# Altium PCB board_ordered.PcbDoc (part 1 of 2) (continued)
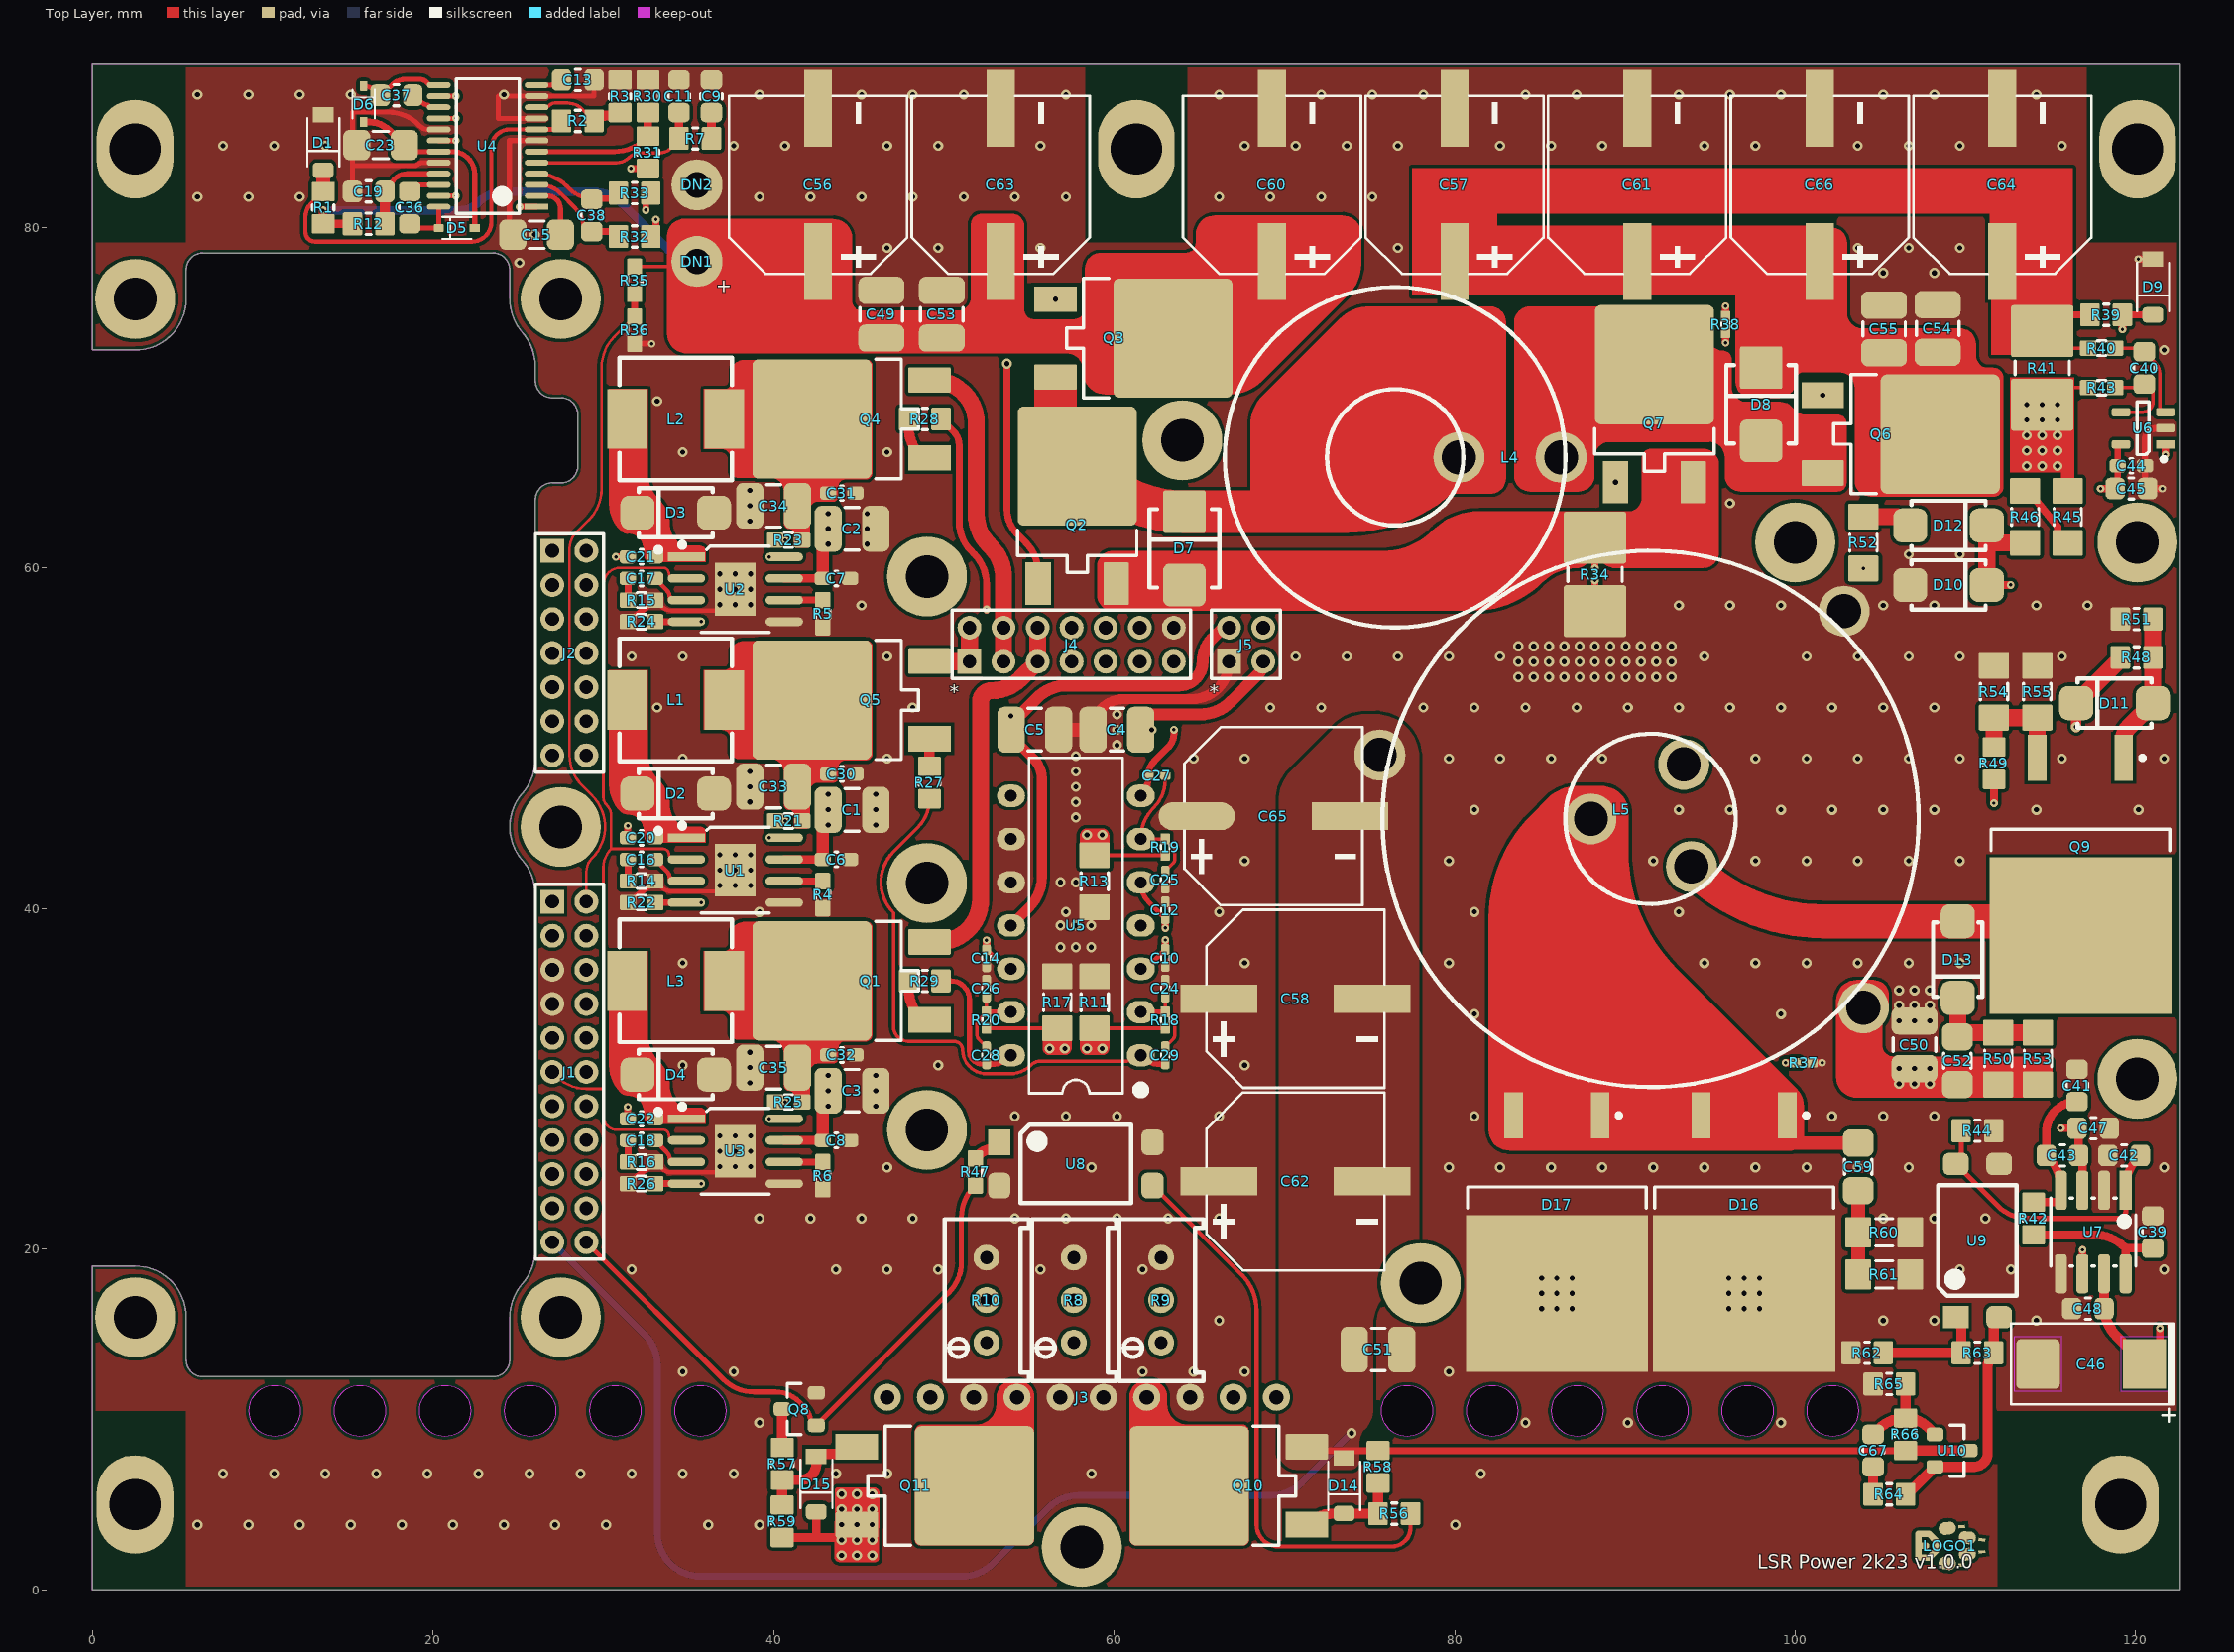
[diagram p0: Top Layer view]
## Design rules (kind name [scope] priority, off if disabled: settings)
AcuteAngle [All] p1: minimum=6.00000000000000E+0001 checktracksonly=FALSE
Clearance Clearance_1 [All] p1: gap=0.2 ignorepadtopadclearanceinfootprint=FALSE except(0.13: Arc-Arc Arc-Track Arc-SMDPad Arc-Via Track-Track Track-SMDPad Track-Via SMDPad-SMDPad SMDPad-Via THPad-Via Via-Via; 0.15: Arc-THPad Arc-Text Arc-Hole Track-THPad Track-Text Track-Hole SMDPad-THPad SMDPad-Text SMDPad-Hole THPad-THPad THPad-Text THPad-Hole Via-Text Via-Hole Fill-Text Fill-Hole Poly-Text Poly-Hole Region-Text Region-Hole Text-Text Text-Hole)
ComponentClearance ComponentClearance_1 [OnLayer('Mechanical 15') vs HasFootprint('CONN_FPC_31P-P0.50_0.5K-AS-31PWB') or HasFootprint('HDR-1X10_2.54')] p1: gap=-1 collisioncheckmode=3 verticalgap=2540 showdistances=FALSE
ComponentClearance ComponentClearance_2 [OnLayer('Mechanical 15') or HasFootprint('HDR-1X10_2.54')] p2: gap=0.001 collisioncheckmode=3 verticalgap=0.001 showdistances=FALSE
ComponentClearance [All] p3: gap=0.2 collisioncheckmode=3 verticalgap=0.2 showdistances=FALSE
Height [All] p1: minheight=0 maxheight=500 prefheight=12.7
HoleSize [All] p1: absolutevalues=TRUE maxlimit=6 minlimit=0.2 maxpercent=80.000 minpercent=20.000
HoleToHoleClearance HoleToHoleClearance_1 [IsVia vs IsThruPin] p1: gap=0.7 allowstackedmicrovias=TRUE
HoleToHoleClearance [All] p2: gap=0.5 allowstackedmicrovias=TRUE
MinimumSolderMaskSliver [All] p1 off: minsoldermaskwidth=0.254
PlaneClearance [All] p1: clearance=0.45
PlaneConnect [All] p1: planeconnectstyle=Direct reliefexpansion=0.3 reliefentries=4 reliefconductorwidth=0.381 reliefairgap=0.178
PolygonConnect [All] p1: connectstyle=Direct reliefconductorwidth=0.381 reliefentries=4 polygonreliefangle="90 Angle" airgapwidth=0.356
RoutingVias [All] p1: holewidth=0.3 width=0.6 viastyle="Through Hole" minholewidth=0.2 minwidth=0.45 maxholewidth=0.9 maxwidth=1.27
SilkToSilkClearance [All] p1 off: silktosilkclearance=0.254
SilkToSolderMaskClearance [IsPad] p1 off: minsilkscreentomaskgap=0.254 clearancetoexposedcopper=TRUE
SolderMaskExpansion [All] p1: expansion=0.102 istentingtop=FALSE
UnRoutedNet [All] p1: checkbadconnections=TRUE
Width [All] p1: maxlimit=3.81 minlimit=0.14 preferedwidth=0.254
20 further rules are at their usual default settings.

## Components (designator, comment, footprint, x,y, rotation, side; value= is the part's Value field where it differs from the comment)
C1 "22u" C1210 44.6,45.8 r180 top
C2 "22u" C1210 44.6,62.3 r180 top
C3 "22u" C1210 44.6,29.3 r180 top
C4 "10u" C1210 60.16,50.5 r0 top
C5 "10u" C1210 55.34,50.5 r0 top
C6 "100n" C0603 43.683,42.885 r180 top
C7 "100n" C0603 43.683,59.385 r180 top
C8 "100n" C0603 43.683,26.385 r180 top
C9 "" C0805 36.347,87.701 r90 top
C10 "10p" C0402 63,37.1 r90 top
C11 "" C0805 34.442,87.701 r90 top
C12 "10p" C0402 63,39.9 r270 top
C13 "" C0805 28.499,88.653 r0 top
C14 "10p" C0402 52.5,37.084 r90 top
C15 "" C1206 26.079,79.567 r180 top
C16 "220p" C0603 32.231,42.885 r0 top
C17 "220p" C0603 32.231,59.385 r0 top
C18 "220p" C0603 32.231,26.385 r0 top
C19 "" C0805 16.218,82.113 r180 top
C20 "100n" C0603 32.231,44.155 r180 top
C21 "100n" C0603 32.231,60.655 r180 top
C22 "100n" C0603 32.231,27.655 r180 top
C23 "" C1206 16.918,84.839 r180 top
C24 "10p" C0402 63,35.3 r270 top
C25 "10p" C0402 62.996,41.7 r90 top
C26 "10p" C0402 52.5,35.3 r270 top
C27 "10p" C0402 62.5,47.8 r180 top
C28 "10p" C0402 52.5,31.38 r270 top
C29 "10p" C0402 63,31.38 r90 top
C30 "100n" C0603 44,47.9 r180 top
C31 "100n" C0603 44,64.4 r180 top
C32 "100n" C0603 44,31.4 r180 top
C33 "22u" C1210 40,47.156 r0 top
C34 "22u" C1210 40,63.656 r0 top
C35 "22u" C1210 40,30.656 r0 top
C36 "" C0805 18.628,81.16 r90 top
C37 "" C0805 17.848,87.758 r0 top
C38 "" C0805 29.319,80.701 r90 top
C39 "" C0805 121,21 r90 top
C40 "" C0805 120.5,71.75 r270 top
C41 "" C0805 116.548,29.614 r90 top
C42 "" C0805 119.309,25.5 r0 top
C43 "" C0805 115.691,25.5 r0 top
C44 "100n" C0603 119.741,66.001 r180 top
C45 "10uF" C0805 119.741,64.668 r180 top
C46 "47u 25V" C7343 117.318,13.25 r180 top
C47 "" C0805 117.5,27.101 r0 top
C48 "" C0805 117.183,16.5 r180 top
C49 "100nF" C1210 46.329,74.9 r270 top
C50 "100nF" C1210 107,32 r270 top
C51 "100nF" C1210 75.5,14.098 r180 top
C52 "" C1206 109.524,31.065 r90 top
C53 "100nF" C1210 49.879,74.9 r270 top
C54 "100nF" C1210 108.361,74.065 r270 top
C55 "100nF" C1210 105.212,74.035 r270 top
C56 "330uF" CAP-SMD_BD10.0-L10.3-W10.3-LS11.0-FD#1 42.611,82.5 r90 top
C57 "330uF" CAP-SMD_BD10.0-L10.3-W10.3-LS11.0-FD#1 79.989,82.5 r90 top
C58 "330uF" CAP-SMD_BD10.0-L10.3-W10.3-LS11.0-FD#1 70.65,34.7 r0 top
C59 "" C1206 103.7,24.825 r90 top
C60 "330uF" CAP-SMD_BD10.0-L10.3-W10.3-LS11.0-FD#1 69.264,82.5 r90 top
C61 "330uF" CAP-SMD_BD10.0-L10.3-W10.3-LS11.0-FD#1 90.714,82.5 r90 top
C62 "330uF" CAP-SMD_BD10.0-L10.3-W10.3-LS11.0-FD#1 70.65,23.975 r0 top
C63 "330uF" CAP-SMD_BD10.0-L10.3-W10.3-LS11.0-FD#1 53.336,82.5 r90 top
C64 "330uF" CAP-SMD_BD10.0-L10.3-W10.3-LS11.0-FD#1 112.164,82.5 r90 top
C65 "330uF" CAP-SMD_BD10.0-L10.3-W10.3-LS11.0-FD#2 69.35,45.425 r0 top
C66 "330uF" CAP-SMD_BD10.0-L10.3-W10.3-LS11.0-FD#1 101.439,82.5 r90 top
C67 "" C0805 104.572,8.169 r270 top
D1 "2.5V" sod-123 13.541,84.991 r90 top
D2 "SS34" SMA 34.25,46.75 r180 top
D3 "SS34" SMA 34.25,63.25 r180 top
D4 "SS34" SMA 34.25,30.25 r180 top
D5 "" SOD-323 21.384,79.964 r0 top
D6 "" SOD-323 15.918,87.239 r270 top
D7 "SS54" SMB 64.123,61.156 r90 top
D8 "SS54" SMB 98,69.617 r90 top
D9 "3.3V" sod-123 121,76.5 r90 top
D10 "WO" SMA 109,59 r0 top
D11 "GLASS" SMA 118.75,52.061 r180 top
D12 "SS110" SMA 109,62.5 r0 top
D13 "S1M" SMA 109.542,37 r270 top
D14 "18V" SOD-123 73.5,6.1 r90 top
D15 "18V" SOD-123 42.5,6.199 r90 top
D16 "MBR20100" D2PAK 97,21 r0 top
D17 "MBR20100" D2PAK 86,21 r0 top
DN1 "" PAD_CAST2_0.8MM 35.5,78 r90 top
DN2 "" PAD_CAST2_0.8MM 35.5,82.5 r90 top
J1 "" HDR-2X11-P2.00 28,30.4 r0 top
J2 "" HDR-2X7-P2.00 28,55 r0 top
J3 "AMP" HDR-1X10_2.54 58.1,11.3 r90 top
J4 "HDR 2X7" HDR-2X7-P2.00 57.5,55.5 r90 top
J5 "AMP AUX" HDR-2X2-P2.00 67.75,55.5 r90 top
L1 "10UH" IND-SMD_L7.2-W6.6_GPSR07X0 34.25,52.25 r0 top
L2 "10UH" IND-SMD_L7.2-W6.6_GPSR07X0 34.25,68.75 r0 top
L3 "10UH" IND-SMD_L7.2-W6.6_GPSR07X0 34.25,35.75 r0 top
L4 "17.7uH" IND_PWR_0 76.5,66.5 r0 top
L5 "TF" TRANS_0 91.5,45.265 r180 top
LOGO1 "LOGO" LOGO 107.227,2.576 r270 top
Q1 "MJD122" "TO-252AA (DPAK)" 45.7,35.75 r270 top
Q2 "AOD4184" "TO-252AA (DPAK)" 57.828,62.531 r180 top
Q3 "AOD4184" "TO-252AA (DPAK)" 60,73.5 r90 top
Q4 "MJD122" "TO-252AA (DPAK)" 45.7,68.75 r270 top
Q5 "MJD122" "TO-252AA (DPAK)" 45.7,52.25 r270 top
Q6 "AOD4184" "TO-252AA (DPAK)" 105.062,67.867 r90 top
Q7 "AOD4184" "TO-252AA (DPAK)" 91.727,68.49 r180 top
Q8 "PDTC143" SOT-23 41.5,10.6 r0 top
Q9 "MDP1991" D2PAK 116.75,42 r0 top
Q10 "KIA3510AD" "TO-252AA (DPAK)" 67.86,6.1 r270 top
Q11 "IPD068P03L3G" "TO-252AA (DPAK)" 48.34,6.1 r90 top
R1 "20k" R0805 13.553,81.16 r270 top
R2 "" R0805 28.499,86.256 r180 top
R3 "" R0805 30.977,87.701 r270 top
R4 "200k" R0603 42.883,40.815 r270 top
R5 "200k" R0603 42.883,57.315 r270 top
R6 "200k" R0603 42.883,24.315 r270 top
R7 "1k" R0805 35.394,85.224 r180 top
R8 "1k" RES-ADJ-TH_3P-L10.0-W10.0-P2.50-L 57.625,17 r90 top
R9 "1k" RES-ADJ-TH_3P-L10.0-W10.0-P2.50-L 62.75,17 r90 top
R10 "1k" RES-ADJ-TH_3P-L10.0-W10.0-P2.50-L 52.5,17 r90 top
R11 "0R1" R1206 58.85,34.492 r270 top
R12 "2R2" R0805 16.218,80.208 r180 top
R13 "0R1" R1206 58.85,41.604 r90 top
R14 "100k" R0603 32.25,41.615 r0 top
R15 "100k" R0603 32.25,58.115 r0 top
R16 "100k" R0603 32.25,25.115 r0 top
R17 "0R1" R1206 56.65,34.492 r270 top
R18 "100" R0402 62.996,33.444 r270 top
R19 "100" R0402 62.996,43.604 r270 top
R20 "100" R0402 52.504,33.444 r270 top
R21 "?" R0603 40.877,45.14 r180 top
R22 "?" R0603 32.25,40.345 r180 top
R23 "?" R0603 40.877,61.64 r180 top
R24 "?" R0603 32.25,56.845 r180 top
R25 "?" R0603 40.877,28.64 r180 top
R26 "?" R0603 32.25,23.845 r180 top
R27 "10" R0805 49.15,47.4 r270 top
R28 "10" R0805 48.876,68.75 r0 top
R29 "10" R0805 48.876,35.75 r0 top
R30 "" R0805 32.616,87.701 r270 top
R31 "" R0805 32.616,84.411 r270 top
R32 "1k" R0805 31.833,79.461 r0 top
R33 "1k" R0805 31.833,82.017 r0 top
R34 "2mR" R2512-WIDE 88.236,59.623 r90 top
R35 "33k" R0603 31.833,76.896 r270 top
R36 "2k" R0603 31.833,73.969 r270 top
R37 "10k NTC" R0402 100.5,30.95 r0 top
R38 "10k NTC" R0402 95.9,74.3 r90 top
R39 "10k" R0805 118.262,74.865 r180 top
R40 "10" R0603 118,72.91 r0 top
R41 "2mR" R2512-WIDE 114.5,71.75 r90 top
R42 "6k8" R0805 114,21.797 r270 top
R43 "10" R0603 118,70.59 r0 top
R44 "10k" R0805 110.7,26.955 r0 top
R45 "5k1" R1206 116,63 r270 top
R46 "5k1" R1206 113.5,63 r270 top
R47 "220" R0603 51.841,24.53 r90 top
R48 "10" R0805 120.048,54.75 r180 top
R49 "1k" R0805 111.67,48.538 r90 top
R50 "5k1" R1206 111.917,31.189 r90 top
R51 "10k" R0805 120.048,57 r180 top
R52 "100" R1206 104,61.5 r90 top
R53 "5k1" R1206 114.248,31.189 r90 top
R54 "0.1" R1206 111.67,52.737 r90 top
R55 "0.1" R1206 114.21,52.737 r90 top
R56 "5k1" R0805 76.452,4.465 r180 top
R57 "5k1" R0805 40.504,7.394 r270 top
R58 "?" R0805 75.5,7.216 r90 top
R59 "?" R0805 40.5,4.016 r90 top
R60 "20" R1206 105.224,20.985 r180 top
R61 "20" R1206 105.224,18.508 r180 top
R62 "470" R0805 104.219,13.914 r0 top
R63 "1k" R0805 110.7,13.914 r0 top
R64 "1k" R0805 105.524,5.6 r180 top
R65 "13k" R0805 105.524,12.074 r0 top
R66 "1k5" R0805 106.477,9.121 r270 top
U1 "MP1584" PowerSOIC-8 37.75,42.25 r270 top
U2 "MP1584" PowerSOIC-8 37.75,58.75 r270 top
U3 "MP1584" PowerSOIC-8 37.75,25.75 r270 top
U4 "LTC3780EG#PBF" TSSOP-24 23.204,84.779 r180 top
U5 "LT1362CN" DIP-14 57.75,39 r90 top
U6 "INA180A2IDBVR" SOT-23-5 120.432,68.207 r0 top
U7 "UC3843AN" SO-8 117.5,21 r180 top
U8 "PC817" SMD-4 57.75,25 r270 top
U9 "PC817" SMD-4 110.7,20.5 r0 top
U10 "431" SOT-23 109.2,8.169 r180 top

## Footprints (in the part's own frame and the unit in brackets; to place one, negate y for a bottom-side part, rotate by r counter-clockwise, add the part's x,y. Pads: shape width x height; smd on the part's side, far side on the other; paste and mask are expansions set on the pad)
C0402 [mm] "Chip Capacitor Body"
  rrect50% 0.635x0.508 smd mask+0.05: 1(-0.5,0) 2(0.5,0)
  silkscreen extent -0.13,-0.25 0.13,0.25, body extent -0.52,-0.27 0.53,0.28, height 0.55
C0603 [mil] "Chip Capacitor"
  rrect50% 38x31 smd mask+1.97: 1(-31.5,0) 2(31.5,0)
  silkscreen extent -3,-17 3,17, body extent -33,-18 33,18, height 35
C0805 [mil] "Chip Capacitor"
  rrect50% 45x50 smd mask+1.97: 1(-37.5,0) 2(37.5,0)
  silkscreen extent -6,-25 6,25, body extent -41,-27 41,27, height 53
C1206 [mm] "Chip Capacitor"
  rrect50% 1.6x1.8 smd: 1(-1.4,0) 2(1.4,0)
  silkscreen extent -0.45,-0.8 0.45,0.8, body extent -1.6,-0.88 1.6,0.92, height 1.6
C1210 [mm] "Chip Capacitor"
  rrect50% 1.6x2.7 smd mask+0.05: 1(-1.4,0) 2(1.4,0)
  silkscreen extent -0.4,-1.25 0.4,1.25, body extent -1.75,-1.35 1.75,1.35, height 1.8
C7343 [mm] "C7343_1"
  rect 2.55x2.9 smd: 1(-3.188,0)
  rrect20% 2.55x2.9 smd: 2(3.061,0)
  Top Layer keep-out region: -4.591,1.577 -4.591,-1.577 -1.786,-1.577 -1.786,1.577
  Top Layer keep-out region: 1.659,1.577 1.659,-1.577 4.464,-1.577 4.464,1.577
  silkscreen extent -5,-2.37 4.64,3.37, body extent -3.7,-2.22 3.7,2.22, height 3.01
CAP-SMD_BD10.0-L10.3-W10.3-LS11.0-FD#1 [mm]
  rect 4.5x1.65 smd paste+0 mask+0.051: 1(-4.5,0) 2(4.5,0)
  silkscreen extent -5.23,-5.23 5.23,5.23, body extent -5.9,-5.25 5.9,5.25, height 12.47
CAP-SMD_BD10.0-L10.3-W10.3-LS11.0-FD#2 [mm]
  oval 4.5x1.65 smd paste+0 mask+0.051: 1(-4.5,0)
  rect 4.5x1.65 smd paste+0 mask+0.051: 2(4.5,0)
  silkscreen extent -5.23,-5.23 5.23,5.23, body extent -5.9,-5.25 5.9,5.25, height 12.47
D2PAK [mm] "D2-PAK, 4-Leads, Body 8.8x10.4mm, Pitch 2.54mm, Lead Span 15.1mm, IPC Low Density"
  rect 1.1x2.7 smd: 1(2.54,6.85) 3(-2.54,6.85)
  rect 10.7x9.2 smd: 2(0,-3.6)
  silkscreen extent -5.25,1.4 5.25,6.97, body extent -5.25,-7.95 5.39,7.9, height 4.8
DIP-14 [mm]
  oval 1.32x1.65 hole 0.7 paste-2539.97 mask+0.051: 1(-7.62,-3.81) 2(-5.08,-3.81) 3(-2.54,-3.81) 4(0,-3.81) 5(2.54,-3.81) 6(5.08,-3.81) 7(7.62,-3.81) 8(7.62,3.81) 9(5.08,3.81) 10(2.54,3.81) 11(0,3.81) 12(-2.54,3.81) 13(-5.08,3.81) 14(-7.62,3.81)
  silkscreen extent -9.85,-4.01 9.85,2.76, body extent -9.6,-3.81 9.6,3.81, height 4.9
HDR-1X10_2.54 [mm]
  round 1.6 hole 0.85: 1(0,11.43) 2(0,8.89) 3(0,6.35) 4(0,3.81) 5(0,1.27) 6(0,-1.27) 7(0,-3.81) 8(0,-6.35) 9(0,-8.89) 10(0,-11.43)
HDR-2X2-P2.00 [mm]
  rect 1.4x1.4 hole 0.8 paste-2539.97 mask+0.051: 1(-1,1)
  round 1.4 hole 0.8 paste-2539.97 mask+0.051: 2(1,1) 3(-1,-1) 4(1,-1)
  silkscreen extent -1.99,-2 2.02,2.03, body extent -2,-2 2,2, height 5.9
HDR-2X7-P2.00 [mm]
  rect 1.4x1.4 hole 0.8 paste-2539.97 mask+0.051: 1(-1,6)
  round 1.4 hole 0.8 paste-2539.97 mask+0.051: 2(1,6) 3(-1,4) 4(1,4) 5(-1,2) 6(1,2) 7(-1,0) 8(1,0) 9(-1,-2) 10(1,-2) 11(-1,-4) 12(1,-4) 13(-1,-6) 14(1,-6)
  silkscreen extent -1.99,-7 2.02,7.03, body extent -2,-7 2,7, height 5.9
HDR-2X11-P2.00 [mm]
  rect 1.4x1.4 hole 0.8 paste-2539.97 mask+0.051: 1(-1,10)
  round 1.4 hole 0.8 paste-2539.97 mask+0.051: 2(1,10) 3(-1,8) 4(1,8) 5(-1,6) 6(1,6) 7(-1,4) 8(1,4) 9(-1,2) 10(1,2) 11(-1,0) 12(1,0) 13(-1,-2) 14(1,-2) 15(-1,-4) 16(1,-4) 17(-1,-6) 18(1,-6) 19(-1,-8) 20(1,-8) 21(-1,-10) 22(1,-10)
  silkscreen extent -1.99,-11 2.02,11.03, body extent -2,-11 2,11, height 5.9
IND-SMD_L7.2-W6.6_GPSR07X0 [mm]
  rect 2.35x3.5 smd: 1(-2.85,0) 2(2.85,0)
  silkscreen extent -3.3,-3.6 3.3,3.6, body extent -3.3,-3.6 3.3,3.6, height 3
IND_PWR_0 [mm]
  round 3 hole 2: 1(3.75,0) 2(9.75,0)
  silkscreen extent -10,-10 10,10, body extent -10,-10 10,10, height 9.5
LOGO [mil]
  rect 15.75x7.87 smd rot 93 mask+4: ""(-44.55,100)
  oval 30x40 smd rot 8 mask+4: ""(-40.55,67)
  oval 15x39.5 smd mask+4: ""(-27.5,12.5) ""(27.5,12.5)
  oval 15x36.21 smd rot 135 mask+4: ""(-20,32.5)
  oval 30x40 smd rot 173 mask+4: ""(-18.99,113.27)
  rect 15.75x7.87 smd rot 83 mask+4: ""(-13.91,147.15)
  oval 39.5x15 smd mask+4: ""(0,40)
  oval 15x32.5 smd mask+4: ""(0,9)
  oval 70x15 smd mask+4: ""(0,0)
  rect 15.75x7.87 smd rot 97 mask+4: ""(13.91,147.15)
  oval 30x40 smd rot 7 mask+4: ""(18.99,113.27)
  oval 15x36.21 smd rot 45 mask+4: ""(20,32.5)
  oval 30x40 smd rot 172 mask+4: ""(40.55,67)
  rect 15.75x7.87 smd rot 87 mask+4: ""(44.55,100)
PAD_CAST2_0.8MM [mm]
  round 3 / inner round 3 / far side round 1.9 hole 1.5: 1(0,0)
PowerSOIC-8 [mm]
  rect 0.5x2.2 smd mask+0.05: 1(-1.905,-2.875)
  oval 0.5x2.2 smd mask+0.05: 2(-0.635,-2.875) 3(0.635,-2.875) 4(1.905,-2.875) 5(1.905,2.875) 6(0.635,2.875) 7(-0.635,2.875) 8(-1.905,2.875)
  rect 3.1x2.4 smd mask+0.05: 9(0,0)
  silkscreen extent -2.67,-4.57 2.52,2, body extent -2.45,-3 2.45,3, height 1.68
R0402 [mm]
  rrect10% 0.635x0.55 smd mask+0.05: 1(-0.476,0) 2(0.476,0)
  silkscreen extent -0.12,-0.25 0.13,0.25, body extent -0.52,-0.27 0.53,0.28, height 0.4
R0603 [mil] "Chip Resistor; Body 1.6 x 0.8 mm (LxW typ)"
  rrect20% 38x35.43 smd mask+1.97: 1(-31.5,0) 2(31.5,0)
  silkscreen extent -10,-17 10,17, body extent -33,-18 33,18, height 22
R0805 [mil] "Chip Resistor; Body 1.6 x 0.8 mm (LxW typ)"
  rrect15% 45x53.15 smd: 1(-37.5,0) 2(37.5,0)
  silkscreen extent -6,-25 6,25, body extent -41,-27 41,27, height 24
R1206 [mil] "Chip Resistor"
  rrect10% 60x70 smd mask+1.97: 1(-60,0) 2(60,0)
  silkscreen extent -20,-31 20,31, body extent -65,-33 65,33, height 26
R2512-WIDE [mm] "Chip Resistor; Body 6.4 x 3.2 mm (LxW typ)"
  rrect10% 3.05x3.68 smd mask+0.05: 1(-2.16,0) 2(2.16,0)
  silkscreen extent -0.4,-1.6 0.4,1.6, body extent -3.19,-1.55 3.16,1.55, height 0.55
RES-ADJ-TH_3P-L10.0-W10.0-P2.50-L [mil]
  round 60 hole 30 paste-99999 mask+2: 1(-98.42,0) 2(0,0) 3(98.43,0)
  silkscreen extent -187,-98 187,96, body extent -188,-95 188,95, height 455
SMA [mm] "SMA(DO-214AC)"
  rrect50% 2x2 smd: 1(-2.25,0) 2(2.25,0)
  silkscreen extent -2.17,-1.45 2.17,1.45, body extent -2.78,-1.48 2.83,1.48, height 2.9
SMB [mm]
  rrect30% 2.5x2.5 smd mask+0.05: 1(-2.15,0)
  rrect10% 2.5x2.5 smd mask+0.05: 2(2.15,0)
  silkscreen extent -2.3,-2.05 2.3,2.05, body extent -2.75,-1.93 2.85,2.03, height 2.65
SMD-4 [mm]
  rect 1.5x1.3 smd mask+0.05: 1(-1.27,-4.5)
  rrect50% 1.5x1.3 smd mask+0.05: 2(1.27,-4.5) 3(1.27,4.5) 4(-1.27,4.5)
  silkscreen extent -2.3,-3.25 2.3,3.25, body extent -2.42,-5.01 2.42,5.01, height 3.9
SO-8 [mm] "SOIC, 8-Leads, Body 4.9x3.9mm, Pitch 1.27mm, IPC Low Density"
  rect 0.7x2.3 smd mask+0.05: 1(-1.905,-2.45)
  rrect50% 0.7x2.3 smd mask+0.05: 2(-0.635,-2.45) 3(0.635,-2.45) 4(1.905,-2.45) 5(1.905,2.45) 6(0.635,2.45) 7(-0.635,2.45) 8(-1.905,2.45)
  silkscreen extent -2.5,-2 2.5,2, body extent -2.5,-3.1 2.5,3.1, height 1.75
sod-123 [mm]
  rect 0.91x1.22 smd mask+0.05: 1(1.635,0)
  rrect50% 0.91x1.22 smd mask+0.05: 2(-1.635,0)
  silkscreen extent -1.43,-0.95 1.43,0.92, body extent -1.85,-0.77 1.85,0.77, height 1.44
SOD-123 [mm]
  rect 0.91x1.22 smd mask+0.05: 1(1.635,0)
  rrect50% 0.91x1.22 smd mask+0.05: 2(-1.635,0)
  silkscreen extent -1.43,-0.95 1.43,0.92, body extent -1.85,-0.77 1.85,0.77, height 1.44
SOD-323 [mm]
  rect 0.59x0.45 smd mask+0.05: 1(1.055,0)
  rrect30% 0.59x0.45 smd mask+0.05: 2(-1.055,0)
  silkscreen extent -0.85,-0.65 0.85,0.65, body extent -1.25,-0.63 1.25,0.62, height 0.99
SOT-23 [mm]
  rrect50% 1x0.8 smd mask+0.05: 1(1,-0.95) 2(1,0.95) 3(-1,0)
  silkscreen extent -0.7,-1.5 0.1,1.5, body extent -1.27,-1.5 1.33,1.5, height 1.1
SOT-23-5 [mm]
  rect 1.1x0.5 smd mask+0.05: 1(1.3,-0.95)
  rrect50% 1.1x0.5 smd mask+0.05: 2(1.3,0) 3(1.3,0.95) 4(-1.3,0.95) 5(-1.3,-0.95)
  silkscreen extent -0.35,-1.95 1.33,1.55, body extent -1.6,-1.55 1.6,1.55, height 1.45
"TO-252AA (DPAK)" [mm] "D-PAK"
  rect 1.5x2.5 smd: 1(2.286,3.45)
  rrect10% 7x7 smd: 2(0,-3.45)
  rrect10% 1.5x2.5 smd: 3(-2.286,3.45)
  silkscreen extent -3.5,0.3 3.5,2.8, body extent -3.29,-5.9 3.29,3.8, height 2.3
TRANS_0 [mm]
  round 3 hole 2: 1(-12.5,11.1) 2(-2.4,2.8) 3(-11.372,-12.2) 4(-1.95,-3.2) 5(15.9,-3.75) 6(3.5,0)
  silkscreen extent -15.75,-15.75 15.75,15.75, body extent -15.75,-15.75 15.75,15.75, height 15.5
TSSOP-24 [mm]
  rect 1.4x0.35 smd mask+0.05: 1(-2.875,3.575)
  oval 1.4x0.35 smd mask+0.05: 2(-2.875,2.925) 3(-2.875,2.275) 4(-2.875,1.625) 5(-2.875,0.975) 6(-2.875,0.325) 7(-2.875,-0.325) 8(-2.875,-0.975) 9(-2.875,-1.625) 10(-2.875,-2.275) 11(-2.875,-2.925) 12(-2.875,-3.575) 13(2.875,-3.575) 14(2.875,-2.925) 15(2.875,-2.275) 16(2.875,-1.625) 17(2.875,-0.975) 18(2.875,-0.325) 19(2.875,0.325) 20(2.875,0.975) 21(2.875,1.625) 22(2.875,2.275) 23(2.875,2.925) 24(2.875,3.575)
  silkscreen extent -1.85,-3.95 1.85,3.95, body extent -3.2,-3.9 3.2,3.9, height 1.2

## Part data
C1 C2 C3 C6 C7 C8 C9 C10 C11 C12 C13 C14 C15 C16 C17 C18 C19 C20 C21 C22 C23 C24 C25 C26 C27 C28 C29 C30 C31 C32 C33 C34 C35 C36 C37 C38 C39 C40 C41 C42 C43 C44 C45 C46 C47 C48 C52 C59 C67: library part CAP
C4 C5: library part CAP, "10u 1210"
C49 C50 C51 C53 C54 C55: library part CAP, "100nF 1210"
C56 C57 C58 C60 C61 C62 C63 C64 C65 C66: library part CAP_POL, "330uF 35V", LCSC part number=C2939792, P/N=SVZ1VM471GCRE00RAXXX
D1: library part US1M-13-F, LCSC part number=C406712, P/N=BZT52C2V7
D2 D3 D4 D5 D6 D7 D8 D10 D11 D12 D13 D14 D15: library part US1M-13-F
D9: library part US1M-13-F, LCSC part number=C173413, P/N=BZT52C3V3
DN1 DN2: library part "dummy net"
J1: library part "HDR 2X11"
J2: library part "HDR 2X7"
J3: library part "Header 3"
J5: library part "Header 2"
L1 L2 L3: library part SRN3015-100M, "CYA0630-10UH"
L4: library part 7443551331, "17x10x7 RING 14 TURN"
L5: library part 7443551331
Q1 Q4 Q5: library part MMBT2222ALT1G, P/N=MJD122
Q2 Q3 Q6 Q7 Q9 Q11: library part 2N7002
Q8: library part MMBT2222ALT1G, "PDTC143XT,215", LCSC part number=C183011, P/N=PDTC143XT,215
Q10: library part 2N7002, "AOD4184"
R1 R2 R3 R4 R5 R6 R7 R11 R12 R13 R14 R15 R16 R17 R18 R19 R20 R21 R22 R23 R24 R25 R26 R27 R28 R29 R30 R31 R32 R33 R35 R36 R39 R40 R42 R43 R44 R45 R46 R48 R49 R50 R51 R52 R53 R54 R55 R56 R57 R58 R59 R60 R61 R62 R63 R64 R65 R66: library part RES
R8 R9 R10: library part 10kΩ
R34 R41: library part RES, "2mR shunt 2512", LCSC part number=C728320, P/N=PA2512FKF7T0R002E
R37 R38: library part RES, "10k NTC 3434 0402", LCSC part number=C700820, P/N=QN0402X103J3435HA
R47: library part RES, "220 0603"
U5: library part LT1362CS#PBF
U8 U9: library part PC817C_C3025164
U10: library part NCP51460SN33T1G

## Free pads (board coordinates)
  oval 4.5x5.8 hole 3: M(2.5,5) M(2.5,84.6) M(61.3,84.6) M(119.1,5) M(120.1,84.6)
  round 4.7 hole 2.5: M(2.5,16) M(2.5,75.8) M(27.5,16) M(27.5,44.8) M(27.5,75.8) M(49,27) M(49,41.5) M(49,59.5) M(58.1,2.5) M(64,67.5) M(78,18) M(100,61.5) M(120.1,30) M(120.1,61.5)

## Via types
v1: diameter 0.6, hole 0.3, Top Layer to Bottom Layer, tented both sides, 426 vias
v2: diameter 0.45, hole 0.2, Top Layer to Bottom Layer, tented both sides, 44 vias

## Nets (pads, with @x,y where several pads share a name; then routed paths per layer and width w, separated by ;. In a path a pad name is that pad's centre, name@x,y a point inside that pad or via, vN(x,y) a via of type N, cw(c..) or ccw(c..) an arc to the next point about the centre after c; other vN are vias at no path point)
+15V: C4.2 J1.6 J5.3 U5.4 | length 91.3
  Top Layer w0.7: C4.2@61.56,50.5 61.56,51.4 65.048,51.4 ccw(c65.048,53.94) 66.844,52.144 68.432,53.732 ccw(c67.664,54.5) J5.3@68.75,54.5
  Mid Layer 2 w0.5: U5.4@61.56,39 ccw(c59.815,39) 61.049,40.234 60.651,40.631 cw(c61.5,41.48) 60.3,41.48 60.3,44.14 cw(c61.5,44.14) 61.5,45.34 62.1,45.34 ccw(c62.1,46.14) 62.9,46.14 62.9,46.6 ccw(c61.572,46.6) 62.511,47.539 62.5,47.55 cw(c63.224,48.274) 62.2,48.274 v1(62.2,50.5)
  Mid Layer 2 w0.7: J1.6@29,36.4 ccw(c30.125,37.525) 30.125,35.934 38.261,35.934 ccw(c38.261,41.691) 44.018,41.691 44.018,57.243 cw(c47.512,57.243) 45.042,59.713 46.914,61.586 cw(c49,59.5) 51.086,61.586 53.102,59.57 ccw(c54.898,61.366) 54.898,58.826 68.25,58.826 cw(c68.25,57.048) 70.028,57.048 70.028,56.413 cw(c68.493,56.413) 69.578,55.328 J5.3@68.75,54.5
+24V: C1.2 C2.2 C3.2 C6.2 C7.2 C8.2 C50.2 C52.1 D15.2 J1.3 L5.1 Q11.3 R31.2 R41.1 R43.1 R45.1 R50.1 R53.1 R59.1 U1.7 U2.7 U3.7 | length 28
  Top Layer w0.2: v1(114.5,69.59) 114.5,70.59 R43.1@117.2,70.59
  Top Layer w0.4: v2(31.616,83.459) R31.2@32.616,83.459
  Top Layer w0.5: R59.1@40.5,3.064 42.5,3.064 ; U3.7@40.625,26.385 C8.2@42.883,26.385 ; U1.7@40.625,42.885 C6.2@42.883,42.885 ; U2.7@40.625,59.385 C7.2@42.883,59.385 ; D15.2@42.5,4.564 42.5,3.064 ; v1@43.99,3.064 42.5,3.064 ; R45.1@115.8,65.007 ccw(c116.483,65.007) R45.1@116,64.524
  Top Layer w0.75: C8.2@42.883,26.385 42.883,28.983 v1(43.2,29.3) ; C6.2@42.883,42.885 42.883,45.483 v1(43.2,45.8) ; C7.2@42.883,59.385 42.883,61.983 v1(43.2,62.3)
  Top Layer w0.8: R45.1@116,64.524 116,66.4
  other v1: 43.99,2.014 44.89,2.014 45.79,2.014 43.99,2.914 44.89,2.914 45.79,2.914 43.99,3.814 44.89,3.814 45.79,3.814 43.99,4.714 44.89,4.714 45.79,4.714 43.99,5.614 44.89,5.614 45.79,5.614 43.2,28.4 106.1,29.7 107,29.7 107.9,29.7 43.2,30.2 106.1,30.6 107,30.6 107.9,30.6 43.2,44.9 43.2,46.7 43.2,61.4 43.2,63.2 113.6,65.99 114.5,65.99 115.4,65.99 113.6,66.89 114.5,66.89 115.4,66.89 113.6,67.79 114.5,67.79 115.4,67.79 113.6,68.69 114.5,68.69 115.4,68.69 113.6,69.59 115.4,69.59
+24V_S: C54.2 C55.2 C57.1 C61.1 C64.1 C66.1 D8.2 Q6.2 R39.2 R40.1 R41.2 | length 73.7
  Top Layer w0.2: R41.2@114.5,73.91 114.5,72.91 R40.1@117.2,72.91
  Top Layer w0.4: R41.2@114.5,73.91 115.455,74.865 R39.2@117.31,74.865
  Top Layer w1.5: C66.1@101.439,78 C61.1@90.714,78 C57.1@79.989,78 79.989,82 112.164,82 C64.1@112.164,78 112.164,76.625 ccw(c113.078,76.625) 112.432,75.978 R41.2@114.5,73.91 ; C54.2@108.361,72.665 C54.2@108.512,72.665
-15V: C5.1 J1.8 J5.2 U5.11 | length 62.2
  Top Layer w0.6: U5.11@53.94,39 55.006,40.066 ccw(c53.21,41.862) 55.75,41.862 55.75,47.638 ccw(c54.139,47.638) 55.278,48.777 53.94,50.115 C5.1@53.94,50.5
  Top Layer w0.7: C5.1@53.94,50.84 55.456,52.356 cw(c57.252,50.56) 57.252,53.1 63.8,53.1 ccw(c63.8,54.5) 65.2,54.5 cw(c67.131,54.5) 65.766,55.866 66.153,56.253 cw(c66.75,55.655) J5.2@66.75,56.5
  Top Layer w0.8: C5.1@53.94,50.5 C5.1@53.94,50.84
  Mid Layer 2 w0.7: J1.8@29,34.4 cw(c30.192,33.208) 30.192,34.894 38.578,34.894 ccw(c38.578,41.426) 45.11,41.426 cw(c47.65,41.426) 45.854,43.222 v1(53.94,51.308)
-24V: C51.2 C58.2 C62.2 C65.2 D14.1 J1.21 L5.5 Q10.3 R58.2 R66.2 U10.3 | length 103.8
  Top Layer w0.4: Q10.3@71.31,8.386 ccw(c71.835,8.911) 71.835,8.169 R58.2@75.5,8.169 R66.2@106.477,8.169
  Top Layer w0.6: R66.2@106.477,8.169 U10.3@110.2,8.169
  Bottom Layer w0.4: J1.21@27,20.4 32.428,14.972 cw(c30.632,13.176) 33.172,13.176 33.172,3.327 ccw(c35.712,3.327) 35.712,0.787 51.069,0.787 ccw(c51.069,3.327) 52.865,1.531 56.134,4.801 cw(c57.912,3.023) 57.912,5.537 69.23,5.537 ccw(c69.23,8.077) 71.026,6.281 v1(73.939,9.195)
DCDC_FAULT: J1.1 U4.1 | length 45.5
  Top Layer w0.35: v2(25.079,81.204) U4.1@26.079,81.204
  Mid Layer 2 w0.15: v2(25.079,81.204) 25.11,81.204 cw(c25.11,78.664) 26.906,80.46 29.431,77.935 cw(c27.635,76.138) 30.175,76.138 30.175,44.627 cw(c27.635,44.627) 29.431,42.831 J1.1@27,40.4
GALVO_PWR_EN: J1.22 Q8.1 R47.1 | length 35.8
  Top Layer w0.3: J1.22@29,20.4 37.048,12.352 ccw(c38.844,14.148) 38.844,11.608 40.093,11.608 cw(c40.093,9.613) 41.504,11.024 41.762,10.765 cw(c40.743,9.747) 42.184,9.747 ccw(c42.417,9.98) 42.417,9.65 Q8.1@42.5,9.65 50.285,17.435 ccw(c48.489,19.231) 51.029,19.231 51.029,21.865 cw(c53.569,21.865) 51.773,23.661 R47.1@51.841,23.73
GND: C1.1 C2.1 C3.1 C4.1 C5.2 C6.1 C7.1 C8.1 C9.2 C10.1 C11.2 C12.1 C13.2 C14.1 C15.2 C19.2 C23.2 C24.1 C25.1 C26.1 C30.1 C31.1 C32.1 C33.1 C34.1 C35.1 C39.2 C41.2 C42.1 C44.1 C45.1 C46.2 C47.2 C48.2 C49.1 C50.1 C51.1 C53.1 C54.1 C55.1 C56.2 C57.2 C58.1 C60.2 C61.2 C62.1 C63.2 C64.2 C65.1 C66.2 D1.1 D2.1 D3.1 D4.1 D9.1 D10.1 D16.2 D17.2 DN2.1 J1.5 J1.7 J3.3 J3.5 J3.6 J3.8 J4.14 J5.1 L5.3 Q8.2 R3.1 R4.2 R5.2 R6.2 R8.3 R9.3 R10.3 R11.1 R13.1 R14.2 R15.2 R16.2 R17.1 R22.2 R24.2 R26.2 R30.1 R33.2 R34.1 R36.2 R37.2 R38.2 R44.2 R51.2 R54.2 R55.2 R60.1 R61.1 R62.1 R65.1 U1.5 U1.9 U2.5 U2.9 U3.5 U3.9 U4.7 U4.9 U4.11 U4.17 U4.20 U5.9 U5.10 U6.2 U7.2 U7.5 U8.2 U8.4 U9.3 | length 142.2
  Top Layer w0.25: R16.2@33.05,25.115 33.428,24.737 ccw(c34,25.309) 34,24.5 U3.9@37.75,24.5 ; R14.2@33.05,41.615 33.428,41.237 ccw(c34,41.809) 34,41 U1.9@37.75,41 ; R15.2@33.05,58.115 33.428,57.737 ccw(c34,58.309) 34,57.5 U2.9@37.75,57.5
  Top Layer w0.3: C19.2@15.266,82.113 15.266,83.622 ; U4.20@20.329,83.804 19.425,83.804 ccw(c19.425,83.182) 18.985,83.622 15.266,83.622 ; U4.17@20.329,85.754 19.73,85.754 cw(c19.73,86.482) 19.216,85.966 19.155,86.027 ccw(c17.359,84.231) 17.359,86.771 15.266,86.771 15.266,85.116 15.518,84.864 15.266,84.864 15.266,83.622 ; C15.2@24.679,79.567 24.479,79.767 24.479,85.104 U4.7@26.079,85.104 ; U4.9@26.079,86.404 23.818,86.404 23.818,87.704 U4.11@26.079,87.704 29.451,87.704 C13.2@29.451,88.653
  Top Layer w0.35: R26.2@31.45,23.845 R16.2@33.05,25.115 ; R22.2@31.45,40.345 R14.2@33.05,41.615 ; R24.2@31.45,56.845 R15.2@33.05,58.115 ; R36.2@31.833,73.169 v2(32.833,73.169)
  Top Layer w0.4: v2(32.486,81.017) 32.486,81.717 R33.2@32.786,82.017 ; R34.1@88.236,57.463 v2(88.236,59.263) ; C45.1@120.541,64.668 120.541,67.513 cw(c121.235,67.513) 121.235,68.207 U6.2@121.732,68.207
  Top Layer w0.45: R38.2@95.9,74.776 v2(95.9,75.376) ; R37.2@100.976,30.95 v2(101.576,30.95) ; v2(120.146,78.135) D9.1@121,78.135 ; C45.1@120.693,64.668 v2(121.547,64.668)
  Top Layer w0.6: C4.1@58.76,50.5 cw(c60.56,50.5) 60.56,52.3 64.55,52.3 ccw(c64.55,54.5) J5.1@66.75,54.5
  Top Layer w0.8: C5.2@56.74,50.5 C4.1@58.76,50.5
  Mid Layer 2 w0.2: v2(32.486,81.017) 32.486,80.556 ccw(c33.083,80.556) 33.083,79.959 61.589,79.959 cw(c61.589,77.419) 63.385,79.215 82.451,60.149 ccw(c84.247,61.945) 84.247,59.405 87.893,59.405 cw(c87.893,58.92) v2(88.236,59.263)
  other v1: 6.162,3.801 9.162,3.801 12.162,3.801 15.162,3.801 18.162,3.801 21.162,3.801 24.162,3.801 27.162,3.801 30.162,3.801 36.162,3.801 39.162,3.801 80.038,3.801 7.662,6.801 10.662,6.801 13.662,6.801 16.662,6.801 19.662,6.801 22.662,6.801 25.662,6.801 28.662,6.801 31.662,6.801 34.662,6.801 37.662,6.801 43.662,6.801 46.662,6.801 58.662,6.801 81.538,6.801 39.162,9.801 84.162,9.801 90.162,9.801 99.162,9.801 34.662,12.801 37.662,12.801 61.662,12.801 64.662,12.801 67.662,12.801 79.662,12.801 66.162,15.801 105.162,15.801 108.162,15.801 114.162,15.801 85.1,16.5 86,16.5 86.9,16.5 96.1,16.5 97,16.5 97.9,16.5 85.1,17.4 86,17.4 86.9,17.4 96.1,17.4 97,17.4 97.9,17.4 85.1,18.3 86,18.3 86.9,18.3 96.1,18.3 97,18.3 97.9,18.3 31.662,18.801 43.662,18.801 46.662,18.801 49.662,18.801 55.662,18.801 61.662,18.801 109.662,18.801 112.662,18.801 121.662,18.801 39.162,21.801 42.162,21.801 45.162,21.801 48.162,21.801 54.162,21.801 57.162,21.801 60.162,21.801 63.162,21.801 66.162,21.801 105.162,21.801 108.162,21.801 111.162,21.801 46.662,24.801 58.662,24.801 79.662,24.801 82.662,24.801 85.662,24.801 88.662,24.801 91.662,24.801 94.662,24.801 97.662,24.801 100.662,24.801 103.662,24.801 106.662,24.801 121.662,24.801 36.85,24.85 37.75,24.85 38.65,24.85 36.85,25.75 37.75,25.75 38.65,25.75 36.85,26.65 37.75,26.65 38.65,26.65 54.162,27.801 57.162,27.801 60.162,27.801 66.162,27.801 81.162,27.801 102.162,27.801 105.162,27.801 108.162,27.801 46,28.4 46,29.3 38.6,29.756 46,30.2 38.6,30.656 34.662,30.801 49.662,30.801 67.662,30.801 38.6,31.556 106.1,33.4 107,33.4 107.9,33.4 81.162,33.801 99.162,33.801 106.1,34.3 107,34.3 107.9,34.3 106.1,35.2 107,35.2 107.9,35.2 34.662,36.801 67.662,36.801 79.662,36.801 94.662,36.801 97.662,36.801 100.662,36.801 103.662,36.801 106.662,36.801 109.662,36.801 56.85,37.73 57.75,37.73 58.65,37.73 56.85,39 57.75,39 58.65,39 39.162,39.801 57.162,39.801 66.162,39.801 81.162,39.801 93.162,39.801 36.85,41.35 37.75,41.35 38.65,41.35 56.85,41.54 57.75,41.54 36.85,42.25 37.75,42.25 38.65,42.25 67.662,42.801 79.662,42.801 91.662,42.801 97.662,42.801 100.662,42.801 103.662,42.801 106.662,42.801 109.662,42.801 36.85,43.15 37.75,43.15 38.65,43.15 46,44.9 57.75,45.35 46,45.8 81.162,45.801 93.162,45.801 96.162,45.801 99.162,45.801 102.162,45.801 105.162,45.801 108.162,45.801 114.162,45.801 120.162,45.801 38.6,46.256 57.75,46.25 46,46.7 57.75,47.15 38.6,47.156 38.6,48.056 57.75,48.05 34.662,48.801 46.662,48.801 64.662,48.801 67.662,48.801 79.662,48.801 82.662,48.801 85.662,48.801 88.662,48.801 97.662,48.801 100.662,48.801 103.662,48.801 106.662,48.801 109.662,48.801 115.662,48.801 121.662,48.801 57.75,48.95 60.16,49.6 60.16,50.5 60.16,51.4 33.162,51.801 48.162,51.801 69.162,51.801 72.162,51.801 78.162,51.801 81.162,51.801 84.162,51.801 87.162,51.801 90.162,51.801 93.162,51.801 96.162,51.801 99.162,51.801 102.162,51.801 105.162,51.801 108.162,51.801 83.736,53.6 84.636,53.6 85.536,53.6 86.436,53.6 87.336,53.6 88.236,53.6 89.136,53.6 90.036,53.6 90.936,53.6 91.836,53.6 92.736,53.6 83.736,54.5 84.636,54.5 85.536,54.5 86.436,54.5 87.336,54.5 88.236,54.5 89.136,54.5 90.036,54.5 90.936,54.5 91.836,54.5 92.736,54.5 31.662,54.801 34.662,54.801 46.662,54.801 70.662,54.801 73.662,54.801 76.662,54.801 79.662,54.801 82.662,54.801 94.662,54.801 100.662,54.801 103.662,54.801 106.662,54.801 109.662,54.801 115.662,54.801 83.736,55.4 84.636,55.4 85.536,55.4 86.436,55.4 87.336,55.4 88.236,55.4 89.136,55.4 90.036,55.4 90.936,55.4 91.836,55.4 92.736,55.4 45.162,57.801 93.162,57.801 96.162,57.801 99.162,57.801 105.162,57.801 108.162,57.801 114.162,57.801 117.162,57.801 36.85,57.85 37.75,57.85 38.65,57.85 36.85,58.75 37.75,58.75 38.65,58.75 36.85,59.65 37.75,59.65 38.65,59.65 106.662,60.801 109.662,60.801 45.492,61.4 45.492,62.3 38.6,62.756 45.492,63.2 38.6,63.656 96.162,63.801 38.6,64.556 34.662,66.801 46.662,66.801 33.162,69.801 121.662,72.801 105.162,77.325 108.162,77.325 25.07,77.927 46.662,78.801 49.662,78.801 55.662,78.801 76.662,78.801 103.662,78.801 106.662,78.801 109.662,78.801 25.959,79.578 6.162,81.801 9.162,81.801 12.162,81.801 39.162,81.801 42.162,81.801 45.162,81.801 48.162,81.801 51.162,81.801 54.162,81.801 57.162,81.801 66.162,81.801 69.162,81.801 72.162,81.801 75.162,81.801 7.662,84.801 10.662,84.801 13.662,84.801 37.662,84.801 40.662,84.801 46.662,84.801 49.662,84.801 55.662,84.801 67.662,84.801 70.662,84.801 73.662,84.801 76.662,84.801 82.662,84.801 85.662,84.801 88.662,84.801 94.662,84.801 97.662,84.801 103.662,84.801 106.662,84.801 109.662,84.801 115.662,84.801 6.162,87.801 9.162,87.801 12.162,87.801 15.162,87.801 24.162,87.801 39.162,87.801 45.162,87.801 48.162,87.801 51.162,87.801 57.162,87.801 66.162,87.801 72.162,87.801 75.162,87.801 78.162,87.801 84.162,87.801 87.162,87.801 93.162,87.801 96.162,87.801 99.162,87.801 105.162,87.801 108.162,87.801 114.162,87.801
LD0_N: J4.9 J4.10 R11.2 R18.2 | length 31.8
  Top Layer w0.25: R11.2@58.85,32.968 R18.2@62.996,32.968
  Mid Layer 2 w1: v1(58.4,31.768) v1(59.3,31.768) ccw(c57.61,33.458) 60,33.458 60,38.169 ccw(c53.889,38.169) 58.21,42.49 57.544,43.156 cw(c59.34,44.952) 56.8,44.952 56.8,49.805 cw(c61.615,49.805) 58.21,53.21 J4.9@59.5,54.5 J4.10@59.5,56.5
LD0_P: J4.1 J4.2 Q5.3 | length 4.4
  Top Layer w1: Q5.3@49.15,54.5 J4.1@51.5,54.5 J4.2@51.5,56.5
LD1_N: J4.11 J4.12 R13.2 R19.2 | length 17.9
  Top Layer w0.25: R13.2@58.85,43.128 R19.2@62.996,43.128
  Mid Layer 2 w1: v1(58.4,44.328) v1(59.3,44.328) 59.3,45.742 cw(c61.298,45.742) 59.885,47.155 60.585,47.855 ccw(c59.141,49.318) 61.197,49.318 61.197,53.769 cw(c62.231,53.769) J4.11@61.5,54.5 ; J4.11@61.5,54.5 J4.12@61.5,56.5
LD1_P: J4.3 J4.4 Q4.3 | length 18.6
  Top Layer w1: Q4.3@49.15,71.036 49.36,71.036 cw(c49.36,68.496) 51.9,68.496 51.9,63.152 ccw(c54.44,63.152) 52.644,61.356 52.756,61.244 cw(c50.96,59.448) 53.5,59.448 J4.4@53.5,56.5 J4.3@53.5,54.5
LD2_N: J4.7 J4.8 R17.2 R20.2 | length 30.7
  Top Layer w0.25: R20.2@52.504,32.968 R17.2@56.65,32.968
  Mid Layer 2 w1: v1(56.2,31.768) v1(57.1,31.768) 57.1,34.848 ccw(c54.56,34.848) 56.356,36.644 56.2,36.8 cw(c57.649,38.249) 55.6,38.249 55.6,49.913 cw(c62.087,49.913) J4.7@57.5,54.5 J4.8@57.5,56.5
LD2_P: J4.5 J4.6 Q1.3 | length 22.4
  Top Layer w1: Q1.3@49.15,38.036 49.659,38.036 ccw(c49.659,40.529) 52.152,40.529 52.152,52.152 cw(c52.8,52.152) 52.8,52.8 ccw(c52.8,55.214) 54.507,53.507 J4.5@55.5,54.5 J4.6@55.5,56.5